# Altium PCB Einsy_Rambo.PcbDoc (part 4 of 4)
Units mil, origin at the board's own origin, x right, y up, seen from the top; angles counter-clockwise.
Board outline 5506.78 x 2795 mil, 6 copper layers (Top, GND, Signal Layer 1, Supply, Signal Layer 2, Bottom), stack 61.838 mil thick; 339 components, 226 nets, 1200 pads, 793 vias.
Unrouted connection lines stored in the file: 98.
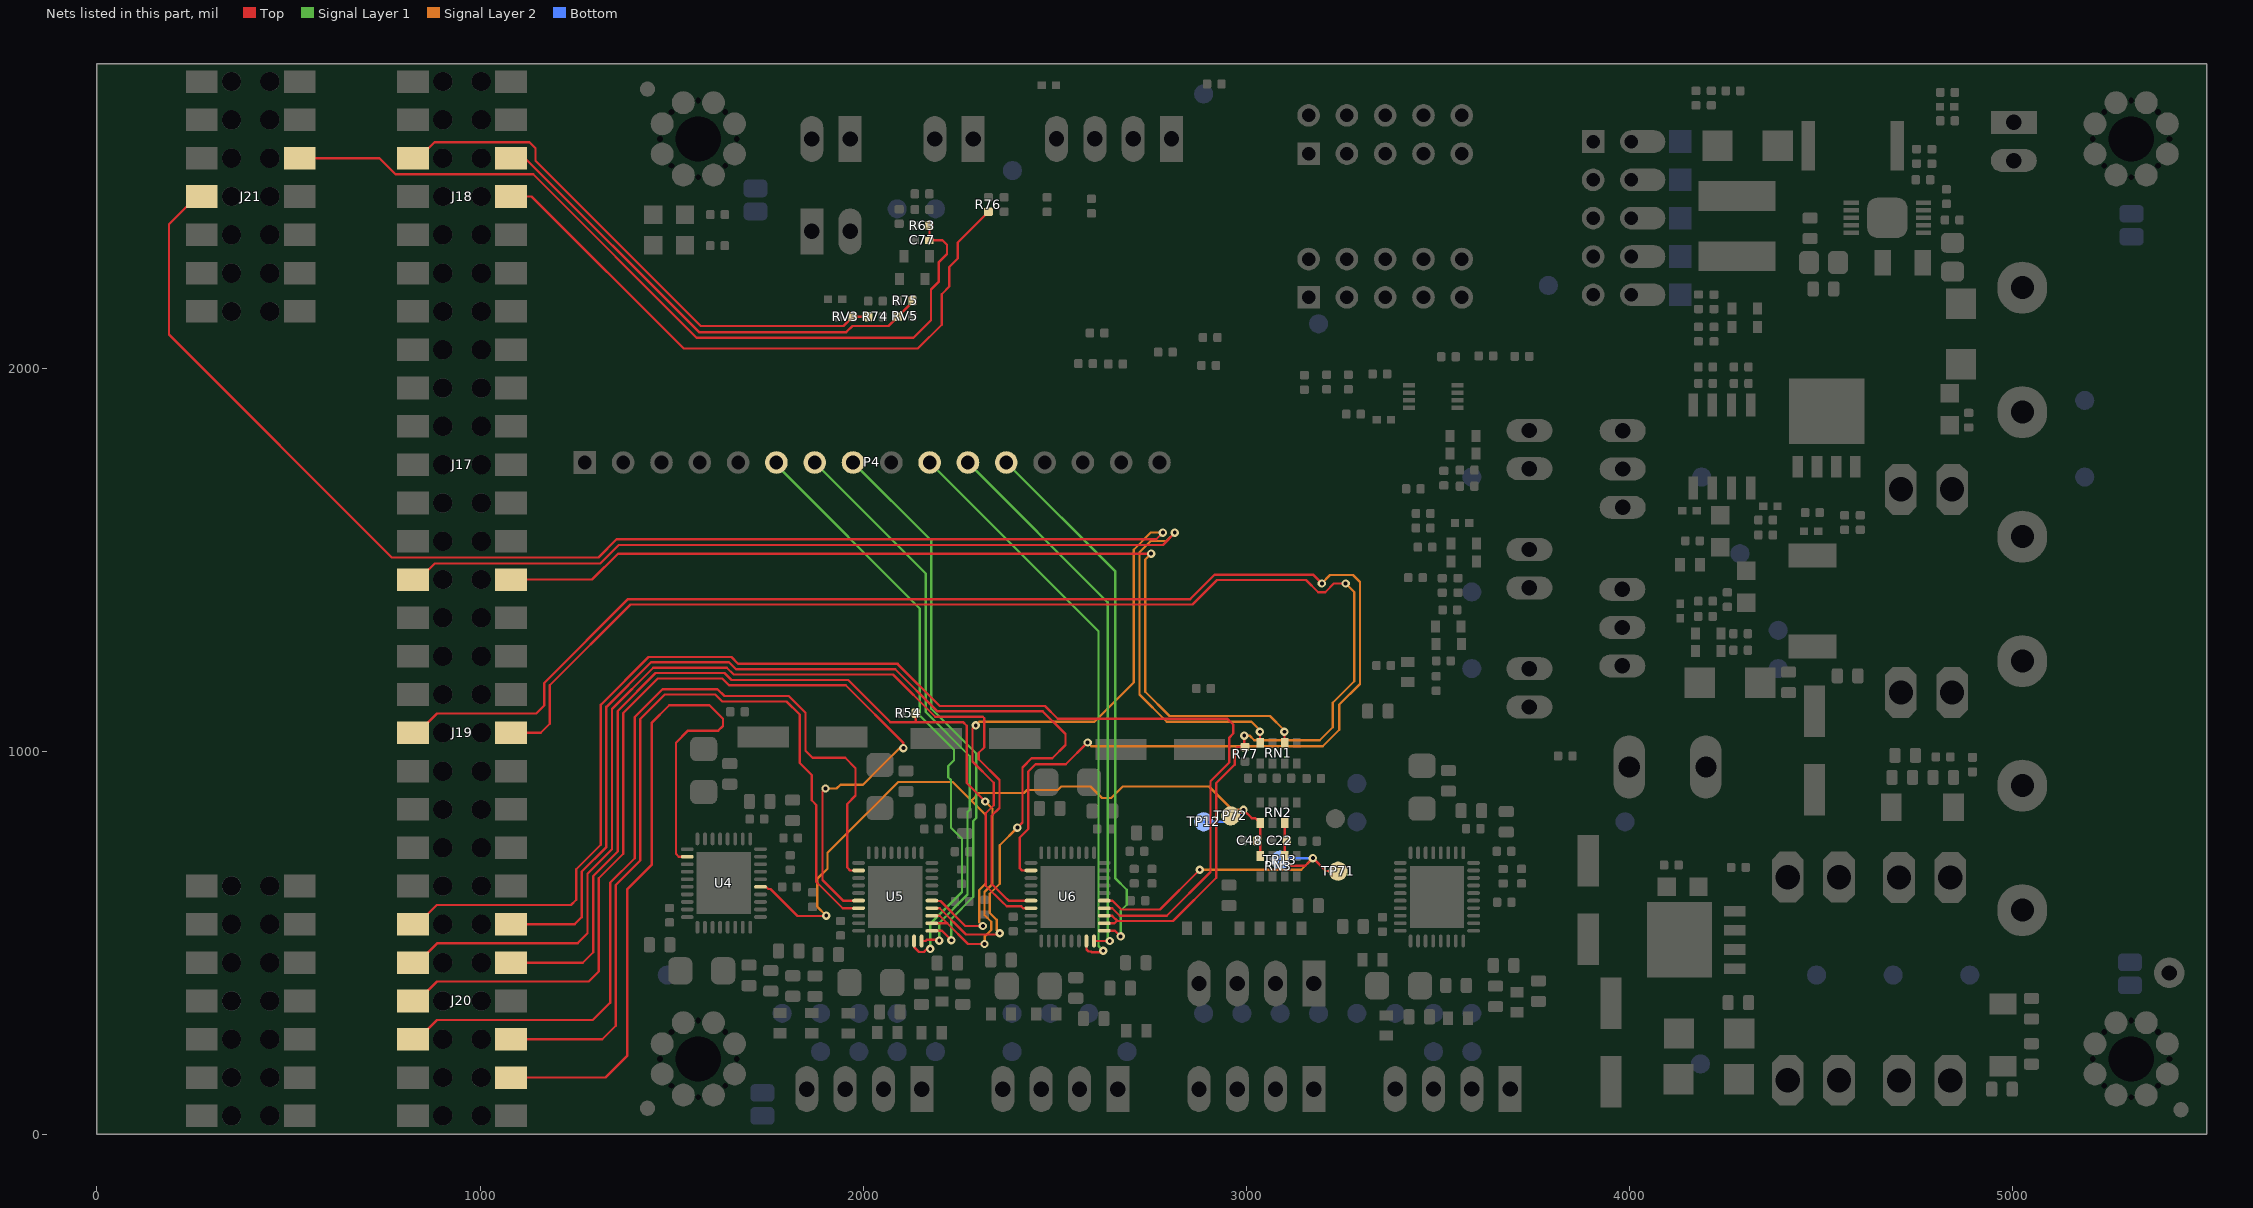
[diagram p8: the nets of this part, all layers, seen from the top]

## Via types
v1: diameter 22, hole 10, Top to Bottom, 296 vias
v2: diameter 22, hole 10, Top to Bottom, tented both sides, 255 vias
v3: diameter 30, hole 15, Top to Bottom, 204 vias
v4: diameter 30, hole 15, Top to Bottom, tented both sides, 30 vias
v5: diameter 32, hole 15, Top to Bottom, tented both sides, 4 vias
v6: diameter 29, hole 15, Top to Bottom, tented both sides, 4 vias

## Nets (pads, with @x,y where several pads share a name; then routed paths per layer and width w, separated by ;. In a path a pad name is that pad's centre, name@x,y a point inside that pad or via, vN(x,y) a via of type N, cw(c..) or ccw(c..) an arc to the next point about the centre after c; other vN are vias at no path point) (continued)
X_MIN: J18.10 R74.1 RV3.2 | length 1432.9
  Top w6: J18.10@825,2548.28 839.37,2548.28 880.91,2589.82 1128.94,2589.82 1144.68,2574.07 1144.68,2541.59 1576.02,2110.25 1949.03,2110.25 RV3.2@1973.03,2134.25 R74.1@2013.13,2134.25
X_nCS: J20.3 U4.2 | length 1924.7
  Top w6: J20.3@1080.71,148.28 1327.17,148.28 1383.86,204.98 1383.86,639.03 1447.83,703.01 1447.83,1074.06 1494.03,1120.25 1599.03,1120.25 1634.03,1085.25 1634.03,1066.25 1621.78,1054 1542.78,1054 1511.28,1022.5 1511.28,732.5 1518.83,724.95 U4.2@1540.93,724.95
XY-REF: C48.1 RN2.5 RN3.4 TP12.TP TP72.TP U4.23 U5.23 | length 2443.4
  Top w6: U4.23@1746.52,646.21 1752.23,640.5 1758.28,640.5 1828.78,570 v2@1903.78,570 ; U5.23@2179.25,610.21 2180.46,609 2201.78,609 2266.78,544 v2(2312.78,544) ; TP72.TP@2959.5,831.4 2967.1,839 2984.82,839 v1(2992.97,847.15) 3014.82,825.3 3024.46,825.3 RN2.5@3036.5,813.26 3036.5,771.59 3031.35,766.44 3036.5,761.29 RN3.4@3036.5,727.07
  Signal Layer 2 w6: v2@1903.78,570 v2(1903.78,571) 1879.92,594.86 1879.92,666.34 1906.78,693.2 1906.78,735 2091.78,920 2233.78,920 2282.78,871 ; v2(2312.78,544) 2303.15,553.63 2303.15,637.88 2320.78,655.51 2320.78,833 2282.78,871 ; v1(2992.97,847.15) 2963.88,847.15 2903.03,908 2677.78,908 2647.78,878 2623.78,878 2593.78,908 2517.25,908 2508.25,899 2427.78,899 2419.78,891 2302.78,891 2282.78,871
  Bottom w6: TP12.TP@2888.78,816 2961.82,816 v1(2992.97,847.15)
XY-REF-PWM: J17.2 RN1.4 | length 2920.5
  Top w6: J17.2@820.87,1429.39 881.89,1490.41 1313.98,1490.41 1362.2,1538.64 2782.42,1538.64 2813.61,1569.83 v2(2813.61,1571) ; v2(3035.78,1051) 3035.78,1023.07 RN1.4@3036.5,1022.35
  Signal Layer 2 w6: v2(2813.61,1571) 2813.61,1570.83 2791.78,1549 2750.78,1549 2721.19,1519.41 2721.19,1148.59 2792.78,1077 3013.78,1077 v2@3036.78,1054
Y-DCEN: P4.7 U5.18 | length 1497
  Top w6: U5.18@2152.68,504.9 2163.36,504.9 2166.34,507.87 2188.98,507.87 2190.94,505.91 v2(2198.82,505.91)
  Signal Layer 1 w6: P4.7@1873.62,1753.94 2163.39,1464.17 2163.39,1102.36 2278.54,987.2 2278.54,847.44 2272.64,841.54 2272.64,625.98 2198.82,552.17 v2(2198.82,505.91)
Y-DCIN: P4.8 U5.19 | length 1468.2
  Top w6: U5.19@2179.45,531.47 2205.73,531.47 v2(2230.31,506.89)
  Signal Layer 1 w6: P4.8@1973.62,1753.94 2178.15,1549.41 2178.15,1111.22 2295.28,994.09 2295.28,825.79 2287.4,817.91 2287.4,620.08 2230.31,562.99 v2(2230.31,506.89)
Y-DCO: P4.6 U5.17 | length 1581.9
  Top w6: U5.17@2132.99,504.9 2132.99,489.05 2145.67,476.38 2158.59,476.38 2165.48,483.27 v2@2172.57,483.27
  Signal Layer 1 w6: P4.6@1773.62,1753.94 1773.62,1747.05 2147.64,1373.03 2147.64,1093.5 2237.2,1003.94 2237.2,976.38 2222.44,961.61 2222.44,932.09 2229.33,925.2 2229.33,800.2 2257.87,771.65 2257.87,632.87 2173.23,548.23 2175.2,546.26 v2(2175.2,484.25)
Y-DIR: J20.5 U5.7 | length 2173.2
  Top w6: J20.5@1080.71,248.28 1318.9,248.28 1354.33,283.72 1354.33,650.84 1418.31,714.82 1418.31,1084.53 1482.03,1148.25 1614.03,1148.25 1632.03,1130.25 1800.03,1130.25 1834.28,1096 1834.28,969.5 1865.78,938 1865.78,872 1877.9,859.88 1877.9,659.5 1946.87,590.53 U5.7@1988.11,590.53 U5.7@1988.31,590.53
Y-EN: J20.11 U5.22 | length 2943.6
  Top w6: J20.11@1080.71,548.28 1246.85,548.28 1265.75,567.18 1265.75,686.28 1329.72,750.25 1329.72,1115.95 1446.03,1232.25 1650.03,1232.25 1668.03,1214.25 2084.03,1214.25 2194.03,1104.25 2469.03,1104.25 2528.03,1045.25 2528.03,1016.25 2493.78,982 2439.78,982 2415.78,958 2415.78,814 v2(2402.78,801) ; U5.22@2179.25,590.53 2200.25,590.53 2268.78,522 2353.78,522 v2(2356.78,525)
  Signal Layer 2 w6: v2(2356.78,525) 2348.42,533.36 2348.42,560.04 2330.71,577.76 2330.71,627.95 2356.78,654.02 2356.78,755 v2(2402.78,801)
Y-STEP: J20.8 U5.6 | length 2681.9
  Top w6: J20.8@824.8,348.28 837.2,348.28 887.79,398.87 1283.46,398.87 1310.04,425.45 1310.04,668.56 1374.02,732.54 1374.02,1100.24 1464.03,1190.25 1632.03,1190.25 1650.03,1172.25 1954.53,1172.25 2105.03,1021.75 v2(2105.03,1008.25) ; v2(1901.78,903) 1893.9,895.12 1893.9,663.88 1947.57,610.21 U5.6@1988.31,610.21
  Signal Layer 2 w6: v2@1895.78,907 v2@1901.78,907 ; v2(1901.78,903) 1930.78,903 1940.78,913 1999.78,913 2095.03,1008.25 v2(2105.03,1008.25)
Y_DIAG: J20.9 R54.1 U5.20 U5.21 | length 2756.3
  Top w6: J20.9@1080.71,448.28 1267.91,448.28 1295.28,475.65 1295.28,674.47 1359.25,738.44 1359.25,1105.47 1458.03,1204.25 1638.03,1204.25 1656.03,1186.25 1961.03,1186.25 2071.03,1076.25 2136.81,1076.25 ; R54.1@2137.01,1099.41 2137.01,1076.45 2136.81,1076.25 ; U5.20@2179.25,551.16 2219.62,551.16 ; U5.21@2179.25,570.84 2199.94,570.84 2219.62,551.16 ; v2@2313.78,502 2317.78,498 2317.78,497 2273.78,497 2219.62,551.16 ; v2(2318.78,869) 2270.28,917.5 2270.28,1067 2261.03,1076.25 2136.81,1076.25
  Signal Layer 2 w6: v2(2318.78,869) 2337.78,850 2337.78,653.73 2316.93,632.87 2316.93,572.84 2334.65,555.12 2334.65,533.87 2317.78,517 2317.78,497 v2@2322.78,497
  other v2: 2316.78,497
Y_MIN: J18.9 R75.1 RV5.2 | length 1271.9
  Top w6: J18.9@1080.91,2548.28 1117.32,2548.28 1571.35,2094.25 1956.03,2094.25 1972.03,2110.25 2066.03,2110.25 RV5.2@2091.03,2135.25 R75.1@2128.93,2173.15
  Top w8: R75.1@2128.93,2173.15 R75.1@2128.93,2176.25
Y_nCS: J20.6 U5.2 | length 2378.9
  Top w6: J20.6@824.8,248.28 837.6,248.28 887.79,298.48 1294.29,298.48 1339.57,343.76 1339.57,656.75 1403.54,720.73 1403.54,1089.76 1476.03,1162.25 1620.03,1162.25 1638.03,1144.25 1806.03,1144.25 1849.78,1100.5 1849.78,1001.25 1867.78,983.25 1953.03,983.25 1980.28,956 1980.28,884.5 1958.28,862.5 1958.28,696.5 1965.83,688.95 U5.2@1988.31,688.95
Z-DCEN: P4.11 U6.18 | length 1443.3
  Top w6: U6.18@2602.68,504.9 v2(2643.68,504.9)
  Signal Layer 1 w6: P4.11@2273.62,1753.94 2638.78,1388.78 2638.78,509.79 v2(2643.68,504.9)
Z-DCIN: P4.12 U6.19 | length 1422.8
  Top w6: U6.19@2629.45,531.47 2657.5,531.47 v2(2672.24,516.73)
  Signal Layer 1 w6: P4.12@2373.62,1753.94 2658.46,1469.1 2658.46,668.31 2687.99,638.78 2687.99,599.41 2672.24,583.66 v2(2672.24,516.73)
Z-DCO: P4.10 U6.17 | length 1532.9
  Top w6: U6.17@2582.99,504.9 2582.99,482.95 2588.58,477.36 2594.49,477.36 2596.25,475.6 2619.3,475.6 2623.03,479.33 v2(2626.97,479.33)
  Signal Layer 1 w6: P4.10@2173.62,1753.94 2614.17,1313.39 2614.17,492.13 v2(2626.97,479.33)
Z-DIR: J21.8 U6.7 | length 4762.3
  Top w6: J21.8@273.42,2448.28 260.29,2448.28 187.99,2375.99 187.99,2087.85 769.68,1506.16 1309.05,1506.16 1356.3,1553.4 2765.01,1553.4 v2(2782.61,1571) ; v2(2293.78,1067.72) 2285.28,1059.22 2285.28,973.5 2340.78,918 2340.78,859 2320.28,838.5 2320.28,649.34 2362.97,606.65 2363.44,606.65 2374.62,595.47 2412.38,595.47 2417.32,590.53 U6.7@2438.11,590.53 U6.7@2438.31,590.53
  Signal Layer 2 w6: v2(2293.78,1067.72) 2303.06,1077 2603.78,1077 2706.19,1179.41 2706.19,1526.41 2750.78,1571 v2(2782.61,1571)
Z-EN: J20.12 U6.22 | length 3506.3
  Top w6: J20.12@824.8,548.28 836.42,548.28 886.81,598.68 1237.2,598.68 1250.98,612.46 1250.98,692.18 1314.96,756.16 1314.96,1121.18 1440.03,1246.25 1656.03,1246.25 1674.03,1228.25 2090.03,1228.25 2200.03,1118.25 2475.03,1118.25 2508.03,1085.25 2951.03,1085.25 2966.03,1070.25 2966.03,1046.25 2956.03,1036.25 2956.03,971.25 2906.78,922 2906.78,685.25 2792.53,571 2669.78,571 2650.25,590.53 U6.22@2629.25,590.53
Z-REF: C22.1 RN2.7 RN3.2 TP13.TP TP71.TP U6.23 | length 967.6
  Top w6: U6.23@2630.46,609 2629.25,610.21 2650.57,610.21 2673.78,587 2774.78,587 v2(2878.78,691) ; RN2.7@3100.25,813.26 3100.25,772.35 C22.1@3106.16,766.44 3100.25,760.54 RN3.2@3100.25,727.07 3100.25,718.6 3117.37,701.48 3154.39,701.48 v1(3174.07,721.17) 3207.54,687.7 3239.08,687.7 TP71.TP@3239.78,687
  Signal Layer 2 w6: v2(2878.78,691) 3143.91,691 v1(3174.07,721.17)
  Bottom w7: TP13.TP@3088.78,716 3093.95,721.17 v1(3174.07,721.17)
Z-REF-PWM: J17.1 RN1.2 | length 2499.5
  Top w6: J17.1@1080.91,1448.28 1292.52,1448.28 1360.24,1516 v2(2751.61,1516) ; v2(3099.78,1051) 3099.78,1022.82 RN1.2@3100.25,1022.35
  Signal Layer 2 w6: v2(2751.61,1516) 2736.19,1500.58 2736.19,1155.59 2799.78,1092 3062.25,1092 3097.78,1056.47 v2@3097.78,1054
Z-STEP: J20.10 U6.6 | length 2760.6
  Top w6: J20.10@824.8,448.28 837.79,448.28 888.78,499.27 1254.92,499.27 1280.51,524.86 1280.51,680.37 1344.49,744.35 1344.49,1110.71 1452.03,1218.25 1644.03,1218.25 1662.03,1200.25 2078.03,1200.25 2188.03,1090.25 2312.31,1090.25 2316.03,1086.53 2316.03,1010.25 2301.78,996 2301.78,979 2355.78,925 2355.78,852 2335.28,831.5 2335.28,654.5 2369.13,620.65 2369.24,620.65 2379.67,610.21 U6.6@2438.31,610.21
Z_DIAG: J19.7 R77.1 U6.20 U6.21 | length 3878.2
  Top w6: J19.7@1080.91,1048.28 1158.27,1048.28 1182.09,1072.1 1182.09,1172.5 1392.84,1383.25 2860.03,1383.25 2924.03,1447.25 3156.03,1447.25 3188.03,1415.25 3206.03,1415.25 3228.78,1438 v2(3259.57,1438) ; U6.20@2629.25,551.16 2655.94,551.16 2661.78,557 2663.78,557 ; U6.21@2629.25,570.84 2649.94,570.84 2663.78,557 ; v2(2994.78,1041) R77.1@2994.78,1011.15 ; R77.1@2997.03,1011.15 R77.1@2994.78,1011.15 ; 2663.78,557 2808.78,557 2921.78,670 2921.78,917 2970.03,965.25 2970.03,1003.25 2977.93,1011.15 R77.1@2994.78,1011.15
  Signal Layer 2 w6: v2(2994.78,1041) 3008.78,1041 3020.78,1029 3191.78,1029 3225.78,1063 3225.78,1127 3281.78,1183 3281.78,1415.79 v2(3259.57,1438)
Z_MIN: J18.7 R76.1 | length 1659.7
  Top w6: J18.7@1080.91,2448.28 1134.65,2448.28 1531.68,2051.25 2142.63,2051.25 2205.03,2113.66 2205.03,2193.25 2225.03,2213.25 2225.03,2264.25 2247.03,2286.25 2247.03,2328.35 R76.1@2327.03,2408.35
Z_nCS: J19.8 U6.2 | length 4271.7
  Top w6: J19.8@825,1048.28 837.4,1048.28 887.79,1098.68 1146.65,1098.68 1167.32,1119.35 1167.32,1178.4 1386.17,1397.25 2854.03,1397.25 2918.03,1461.25 3174.31,1461.25 v2(3197.57,1438) v2@3197.57,1438.79 ; U6.2@2438.31,688.95 2414.83,688.95 2408.66,695.12 2408.66,774.88 2430.78,797 2430.78,947 2449.78,966 2528.78,966 v2(2585.78,1023)
  Signal Layer 2 w6: v2(2585.78,1023) 2595.78,1013 3199.78,1013 3242.78,1056 3242.78,1122 3296.78,1176 3296.78,1441.66 3278.44,1460 3218.78,1460 3197.57,1438.79 v2(3197.57,1438)
Z_THERM: C77.1 J21.9 R63.2 | length 2164.8
  Top w6: J21.9@529.33,2548.28 737.4,2548.28 779.53,2506.16 1138.78,2506.16 1565.68,2079.25 2131.03,2079.25 2177.03,2125.25 2177.03,2205.25 2197.03,2225.25 2197.03,2276.25 2219.03,2298.25 2219.03,2322.25 2207.03,2334.25 C77.1@2172.73,2334.25 2173.03,2334.55 R63.2@2173.03,2372.25
pads on no net: FID1.1 FID2.1 FID3.1 H1.0 H2.0 H3.0 H4.0 J17. J18. J19. J20. J21. J22. P3. Q1. Q5. U4. U5. U6. U7.

## Polygon pours and split planes (outlines as drawn)
GND on Top "Top GND large pour" (solid, remove dead copper, pour order 214): 1382.87,10.09 5496.87,10.09 5496.87,2785.51 1382.87,2785.51
no net on Top "FAN0 Q8 DRN" (solid, pour order 104): 4154.78,1717 4154.78,1657 4229.78,1657 4228.78,1657 4228.78,1717
NetC66_1 on Top "Direct-Connect" (solid, pour order 174): 1995.78,769 2002.78,776 2021.78,776 2033.78,776 2035.78,778 2035.78,805 2022.78,818 1998.78,818 1973.78,793 1973.78,776 1980.78,769
GND on Top "Top-MotorThermal" (solid, pour order 168): 1447.83,895.06 1513.78,961 3778.78,961 3892.72,847.06 3892.72,449.07 3787.65,344 1590.78,344 1447.83,486.94
NetC119_2 on Top "Direct-Connect" (solid, pour order 161): 3479.78,477 3501.78,477 3515.78,463 3515.78,434 3526.19,423.59 3537.64,423.59 3535.78,414 3535.78,396 3535.78,370 3492.78,361 3479.37,349 3422.46,349 3420.61,350.85 3416.78,354.68 3416.78,417 3432.78,433 3434.78,433 3454.78,433 3458.78,437 3458.78,459 3476.78,477
X_0B2 on Top "Direct-Connect" (solid, pour order 145): 1660.78,480.32 1660.78,475 1673.18,462.6 1722.18,462.6 1733.78,451 1733.78,412.38 1737.78,408.38 1779.07,408.38 1779.07,415.25 1779.07,437.71 1776.78,447 1769.78,447 1736.46,480.32
NetC102_2 on Top "Direct Connect" (solid, pour order 129): 1622.78,522 1628.78,522 1641.78,509 1654.78,496 1654.78,469 1667.78,456 1714.78,456 1719.78,451 1719.78,430 1710.78,421 1685.78,421 1672.78,408 1672.78,391 1664.78,383 1610.78,383 1599.78,394 1599.78,499
BED-OUT on Top "50mil" (solid, pour order 192): 4809.78,1921 4908.78,1921 4966.78,1979 4966.78,2005 5000.78,2039 5004.78,2043 5028.78,2043 5051.78,2043 5062.78,2054 5062.78,2330 5033.78,2359 4965.78,2359 4875.78,2269 4875.78,2158 4809.78,2092
PWR-IN on Top "24mil" (solid, pour order 184): 4796.78,799 4796.78,877 4819.78,900 4819.78,945 4877.78,945 5178.78,644 5178.78,489 5178.78,383 5134.78,339 5037.78,339 5037.78,305 5009.78,277 4953.78,277 4927.78,303 4927.78,701 4845.78,783 4814.78,783 4811.78,783 4796.78,798
NetC87_1 on Top "24mil" (solid, pour order 180): 4331.78,625 4396.78,560 4564.78,560 4609.78,605 4617.78,613 4617.78,754 4694.78,831 4694.78,973 4677.78,973 4496.78,792 4357.78,792 4331.78,766
BED-IN on Top "50mil" (solid, pour order 178): 4620.87,1111.09 4620.87,1279.09 4680.87,1339.09 5138.87,1339.09 5208.87,1269.09 5208.87,1074.09 5155.78,1021 4666.97,1021 4620.87,1067.09
+12V3 on Top "50mil" (solid, pour order 175): 4784.78,1766 4823.78,1805 4823.78,1852 4881.78,1910 4928.78,1910 4985.78,1967 4995.78,2003 5005.78,2013 5052.78,2013 5148.78,2013 5234.78,1927 5234.78,1727 5165.78,1658 5151.78,1644 4947.78,1644 4904.78,1601 4904.78,1506 4904.78,1466 4681.78,1243 4389.78,1243 4375.78,1257 4375.78,1348 4400.78,1373 4602.78,1373 4622.78,1393 4622.78,1728 4660.78,1766
BED-OUT on Top "Direct-Connect" (solid, pour order 172): 4422.4,1787.38 4782.16,1787.38 4809.78,1815 4809.78,1921 4891.78,1921 4891.78,2123 4387.78,2123 4354.78,2090 4354.78,2006 4354.78,1956 4354.78,1801 4408.78,1801
GND on Top "Direct-Connect" (solid, pour order 170): 4372.78,1759 4372.78,1788 4404.78,1788 4420.78,1772 4553.78,1772 4559.78,1766 4559.78,1716 4574.78,1701 4574.78,1676 4555.78,1657 4432.78,1657 4409.78,1680 4373.78,1680 4373.78,1707
NetC115_1 on Top "Direct-Connect" (solid, pour order 167): 2376.78,435 2486.78,435 2490.78,439 2490.78,464.92 2487.93,467.77 2380.55,467.77 2376.78,464
NetC114_1 on Top "Direct-Connect" (solid, pour order 166): 2557.78,467 2557.78,439 2562.78,434 2610.78,434 2610.78,458 2601.78,467
NetC78_1 on Top "Direct-Connect" (solid, pour order 164): 3515.78,771 3532.78,771 3538.78,777 3540.78,779 3540.78,822 3540.78,859.85 3524.01,876.62 3509.4,876.62 3496.78,864 3496.78,834 3515.78,815
GND on Top "Direct-Connect" (solid, pour order 160): 2204.78,787 2218.78,801 2218.78,816 2218.78,900 2214.78,904 2203.78,904 2191.78,892 2191.78,871 2184.78,864 2184.78,794 2191.78,787
NetC82_2 on Top "Direct-Connect" (solid, pour order 156): 3486.78,762 3496.78,762 3509.78,775 3511.78,777 3511.78,808 3506.78,813 3490.78,813 3460.78,813 3453.78,806 3453.78,775 3463.78,765 3466.78,762 3473.78,762
GND on Top "Direct-Connect" (solid, pour order 155): 3586.15,892.37 3586.15,796.63 3602.78,780 3618.78,780 3629.78,791 3632.26,793.48 3632.26,875.46 3632.26,879.52 3605.78,906 3599.78,906
NetC116_2 on Top "Direct-Connect" (solid, pour order 154): 2515.78,477 2537.78,477 2551.78,463 2551.78,434 2562.19,423.59 2573.64,423.59 2581.72,415.52 2581.72,395.86 2581.72,390.02 2573.64,381.95 2539.24,381.95 2530.16,372.88 2530.16,364.38 2509.78,344 2463.46,344 2456.61,350.85 2452.78,354.68 2452.78,417 2468.78,433 2470.78,433 2490.78,433 2494.78,437 2494.78,459 2512.78,477
NetC113_2 on Top "Direct-Connect" (solid, pour order 151): 2457.78,833 2462.78,833 2496.78,799 2506.78,809 2513.78,809 2479.78,843 2468.78,854
NetC106_1 on Top "Direct-Connect" (solid, pour order 148): 2105.78,466 2105.78,438 2112.78,431 2148.78,431 2150.78,433 2126.78,457 2126.78,464 2124.78,466
NetC108_2 on Top "Direct Connect" (solid, pour order 147): 2070.16,486 2076.16,486 2089.16,473 2099.78,462.38 2099.78,435.38 2115.16,420 2162.16,420 2167.16,415 2167.16,394 2158.16,385 2133.16,385 2120.16,372 2120.16,355 2112.16,347 2058.16,347 2047.16,358 2047.16,463
NetC85_1 on Top "24mil" (solid, pour order 146): 5052.78,151 5052.78,250 4956.78,250 4898.78,308 4898.78,611 4909.78,622 4909.78,670 4814.78,765 4700.78,765 4688.78,753 4688.78,328 4756.78,260 4833.78,260 4942.78,151
GND on Top "Direct-Connect" (solid, pour order 141): 2050.78,915 2127.27,915 2166.05,953.77 2166.05,985.73 2159.78,992 2118.78,992 2107.78,981 2091.78,981 2074.78,998 2016.78,998 2002.78,984 2002.78,926 2013.78,915
NetC65_1 on Top "Direct-Connect" (solid, pour order 140): 2101.78,771 2118.78,771 2124.78,777 2126.78,779 2126.78,822 2126.78,859.85 2110.01,876.62 2095.4,876.62 2082.78,864 2082.78,834 2101.78,815
NetC71_2 on Top "Direct-Connect" (solid, pour order 139): 2072.78,762 2082.78,762 2095.78,775 2097.78,777 2097.78,808 2092.78,813 2076.78,813 2046.78,813 2039.78,806 2039.78,775 2049.78,765 2052.78,762 2059.78,762
NetC112_1 on Top "Direct-Connect" (solid, pour order 138): 2445.78,769 2452.78,776 2471.78,776 2483.78,776 2485.78,778 2485.78,805 2472.78,818 2448.78,818 2423.78,793 2423.78,776 2430.78,769
GND on Top "Direct-Connect" (solid, pour order 136): 2656.78,783 2671.78,798 2671.78,814 2671.78,815 2703.78,847 2703.78,864 2685.78,882 2668.78,882 2653.78,867 2639.78,867 2632.78,860 2632.78,784 2636.78,780 2653.78,780
NetC75_1 on Top "Direct-Connect" (solid, pour order 135): 2551.78,771 2568.78,771 2574.78,777 2576.78,779 2576.78,822 2576.78,859.85 2560.01,876.62 2545.4,876.62 2532.78,864 2532.78,834 2551.78,815
NetC113_2 on Top "Direct-Connect" (solid, pour order 132): 2522.78,762 2532.78,762 2545.78,775 2547.78,777 2547.78,808 2542.78,813 2526.78,813 2496.78,813 2489.78,806 2489.78,775 2499.78,765 2502.78,762 2509.78,762
NetC99_2 on Top "Direct Connect" (solid, pour order 128): 1630.78,850 1618.78,862 1618.78,877 1618.78,889 1625.78,896 1648.78,896 1669.78,896 1673.78,900 1673.78,933 1669.78,937 1668.78,936 1573.78,936 1556.78,936 1537.78,917 1537.78,873 1548.78,862 1585.78,862 1588.78,859 1588.78,844.8 1599.57,834 1620.78,834 1630.78,844
GND on Top "Direct Connect" (solid, pour order 127): 1644.57,945.79 1670.78,972 1670.78,984 1670.78,997 1654.78,1013 1630.78,1037 1597.78,1037 1555.78,1037 1525.78,1007 1525.78,945.79
X_0A2 on Top "Direct Connect" (solid, pour order 125): 1661.78,806 1670.78,815 1670.78,829 1670.78,856 1675.78,861 1675.78,879 1667.78,887 1632.78,887 1628.78,883 1628.78,863 1631.78,860 1643.78,860 1651.78,852 1651.78,806
X_0A1 on Top "Direct Connect" (solid, pour order 124): 1538.78,808 1599.78,808 1583.78,824 1583.78,850 1582.78,851 1536.78,851 1534.78,849 1534.78,812
NetC99_2 on Top "Direct Connect" (solid, pour order 119): 1622.78,792 1644.78,814 1645.78,815 1645.78,826 1645.78,846 1640.78,851 1591.78,851 1588.78,848 1588.78,826 1598.78,816
GND on Top "SMPS" (solid, pour order 110): 4550.78,2444 4578.78,2472 4666.78,2472 4716.78,2522 4716.78,2645 4591.78,2645 4542.78,2596 4540.78,2594 4540.78,2461 4540.78,2444
NetC40_2 on Top "SMPS" (solid, pour order 109): 4446.78,2378 4424.01,2400.77 4379.78,2400.77 4273.55,2507 4257.78,2507 4241.78,2523 4241.78,2599 4203.78,2637 4117.78,2637 4099.78,2619 4099.78,2537 4099.78,2424 4145.78,2378 4156.78,2367 4428.78,2367 4443.78,2367 4446.78,2370
no net on Top "FAN1 Q8 DRN" (solid, pour order 105): 4254.78,1717 4254.78,1657 4328.78,1657 4328.78,1717 4290.78,1717
VMOT on Top "VMOT-X" (solid, pour order 102): 1682.78,899 1682.78,1019 1799.78,1019 1737.78,957 1737.78,899
VMOT on Top "VMOT-Y" (solid, pour order 101): 2142.78,882 2142.78,956 2166.78,980 2166.78,1025 2257.78,1025 2257.78,973 2188.78,904 2188.78,882
NetD9_A on Top "SMPS" (solid, pour order 108): 4533.78,2411 4533.78,2547 4533.78,2596 4484.78,2645 4371.78,2645 4347.78,2621 4347.78,2532 4359.78,2520 4376.78,2520 4457.78,2439 4484.78,2412 4530.78,2412
NetC80_1 on Top "Direct-Connect" (solid, pour order 165): 3448.78,801 3448.78,804 3441.78,811 3406.78,811 3393.78,798 3392.78,797 3392.78,780 3395.78,777 3401.78,777 3448.78,777
NetC117_1 on Top "Direct-Connect" (solid, pour order 162): 3523.78,464 3523.78,439 3526.78,436 3542.78,436 3552.78,426 3557.78,421 3570.78,421 3575.78,426 3575.78,431 3575.78,456 3567.78,464
NetC107_1 on Top "Direct-Connect" (solid, pour order 149): 2040.32,472 2040.32,436.86 2036.65,433.19 1996.59,433.19 1987.78,442 1987.78,460 1990.78,463 2016.78,463 2019.78,466 2023.23,469.45 2023.23,471.88
X_0B1 on Top "Direct-Connect" (solid, pour order 144): 1557.78,481 1566.78,472 1590.78,472 1594.78,476 1594.78,477 1594.78,504 1590.78,508 1567.78,508 1557.78,498
GND on Top "Direct-Connect" (solid, pour order 169): 2455.78,1005 2496.78,1005 2513.78,1022 2513.78,1036 2499.78,1050 2489.78,1060 2454.78,1060
GND on Top "Direct-Connect" (solid, pour order 163): 3351.78,355 3302.78,355 3285.78,372 3285.78,406 3293.78,414 3350.78,414 3351.78,413
GND on Top "Direct-Connect" (solid, pour order 152): 2315.78,346 2419.78,346 2431.78,358 2431.78,415 2420.78,426 2415.78,431 2359.78,431 2332.78,431 2293.78,392 2288.78,387 2288.78,354 2292.78,354 2300.78,346
GND on Top "Direct-Connect" (solid, pour order 150): 1916.78,429 1916.78,385.25 1916.78,360.25 1916.78,351 1971.78,351 1993.78,351 2010.78,368 2010.78,414 1995.78,429
GND on Top "Direct-Connect" (solid, pour order 143): 1986.78,1011 2025.78,1011 2037.78,1023 2037.78,1066 2030.78,1073 1986.78,1073 1973.78,1060
VMOT on Top "Direct-Connect" (solid, pour order 131): 2626.78,994 2626.78,952 2655.78,923 2660.6,918.18 2660.6,893.82 2693.6,893.82 2715.42,872 2739.78,872 2755.78,872 2761.78,878 2761.78,974 2731.78,1004
VMOT on Top "VMOT-Z" (solid, pour order 100): 2649.78,889 2649.78,990 2738.78,990 2738.78,879 2650.78,879
GND on Top "Direct-Connect" (solid, pour order 130): 2944.78,1001 2944.78,1041 2954.78,1051 2954.78,1065 2945.78,1074 2891.78,1074 2886.78,1069 2886.78,1033 2910.78,1009
VCC on Supply "Power" (solid, remove dead copper, pour order 118): 1453.78,1898.25 1453.78,2425 1637.78,2425 1639.78,2423 1746.78,2530 1746.78,2658 1846.78,2758 3178.78,2758 5469.36,2758 5469.36,2271.58 5469.36,1989 5469.36,1788 5469.36,1093 5469.36,988 5469.36,891 5469.36,847 5469.36,816 5469.36,796 5469.36,783 5469.36,761.77 5469.37,740 5469.32,390.41 5469.46,58 4910.78,58 4910.78,237.41 4757.78,390.41 4026.43,390.41 3987.84,429 1591.78,429 1411.78,609 1411.78,1114 1453.78,1156
VMOT on Supply "Power" (solid, remove dead copper, pour order 117): 1806.03,908.25 1814.03,904.25 1818.03,894.98 1818.03,834.75 1862.03,788.25 1862.03,690.25 1846.78,672 1846.78,496 1866.78,476 1892.78,476 1930.78,514 1930.78,743 2061.78,874 2116.78,874 2139.79,897.01 2217.77,897.01 2222.78,892 2230.28,892 2309.46,812.82 2310.03,662.25 2297.78,642 2297.78,487 2312.78,472 2366.78,472 2414.53,519.75 2414.53,812.75 2468.78,867 2667.03,867 2695.34,889 2779.78,889 2779.78,677 2817.78,639 3191.78,639 3414.78,862 3532.78,862 3567.78,897 3567.78,905 3579.78,917 3602.78,917 3630.78,889 3681.78,889 3735.78,835 3735.78,680 3892.78,523 4027.78,388 4759.78,388 4910.78,237 4910.78,77 4891.78,58 4099.78,58 1774.78,58 1716.78,116 1716.78,261 1639.78,338 1480.78,338 1430.78,388 1430.78,543 1459.78,572 1459.78,810 1543.78,894 1676.78,894 1682.78,900 1682.78,922 1707.78,947 1723.78,947 1733.78,937 1733.78,908.25
NetD6_A on Supply "Extruder NetD6_A" (solid, pour order 103): 4030.74,395.14 4030.74,599.25 4201.03,599.25 4201.03,395.05
GND on Bottom "BOT GND large pour" (solid, remove dead copper, pour order 218): 1382.96,10.18 5496.96,10.18 5496.96,2785.6 1382.96,2785.6
BED-OUT on Bottom "BedOut Bottom Heatsink" (solid, pour order 212): 4660.78,1585.25 4660.78,1756 4953.93,1756 4953.93,2243 4288.03,2243 4288.03,2005.25 4058.78,2005.25 4058.78,1585.25
+12V2 on Bottom "Direct Connect" (solid, pour order 190): 4140.03,1070.25 4070.03,1000.25 4070.03,875.25 4022.03,827.25 3955.03,827.25 3907.03,786.25 3907.03,641 3978.78,641 4106.78,504 4336.78,274 4336.78,141 4359.78,118 4600.78,118 4617.78,135 4617.78,316 4442.85,594.89 4387.98,594.89 4355.78,631 4355.78,765 4311.78,765 4311.78,1070.25
GND on Bottom "Direct Connect" (solid, pour order 196): 4872.78,1530 4929.78,1587 5129.78,1587 5129.78,1509 5068.78,1448 4934.78,1448 4872.78,1510
+12V3 on Bottom "Direct Connect" (solid, pour order 176): 4621.78,1723 4665.78,1767 4684.78,1786 4808.78,1786 4904.78,1786 4935.78,1817 4935.78,1935 4977.78,1977 5014.78,2014 5087.78,2014 5233.78,1868 5233.78,1771 5103.78,1641 4973.78,1641 4937.78,1605 4875.78,1543 4661.78,1543 4621.78,1583
NetC85_1 on Bottom "Direct Connect" (solid, pour order 202): 5057.78,158 5085.78,186 5085.78,217 5052.78,250 4956.78,250 4851.78,355 4851.78,728 4814.78,765 4700.78,765 4688.78,753 4688.78,470 4724.78,434 4724.78,369 4833.78,260 4935.78,158
GND on Bottom "Direct Connect" (solid, pour order 198): 4989.03,816.25 5080.03,816.25 5152.78,889 5176.78,913 5176.78,1012 4954.78,1012 4927.78,985 4920.78,978 4920.78,922 4920.78,884.5
BED-OUT on Bottom "Direct Connect" (solid, pour order 194): 4910.78,2260 4910.78,2159 4864.78,2113 4864.78,1955 4891.78,1928 5010.78,2047 5084.78,2047 5141.78,2104 5141.78,2173 5141.78,2275 5085.78,2331 4976.78,2331 4909.78,2264
NetC87_1 on Bottom "Direct Connect" (solid, pour order 183): 4371.78,602 4448.78,592 4464.78,559 4563.78,559 4617.78,613 4617.78,726 4668.78,777 4681.03,789.25 4681.03,910.25 4656.03,935.25 4600.03,935.25 4456.78,792 4371.78,792
BED-IN on Bottom "Direct Connect" (solid, pour order 177): 4619.78,1110 4619.78,1278 4679.78,1338 5137.78,1338 5207.78,1268 5207.78,1086 5147.78,1026 4949.77,1025.99 4930.78,1007 4678.78,1007 4619.78,1066
NetD6_A on Bottom "Extruder HeatSink Bot" (solid, pour order 98): 4201.03,595.25 3851.78,595.25 3851.78,11 4144.78,11 4144.78,236 4145.78,235 4201.03,235
PWR-IN on Bottom "Direct Connect" (solid, pour order 185): 4881.03,786.75 4881.03,887.25 4891.03,897.25 4905.03,897.25 5000.03,802.25 5111.53,802.25 5178.78,735 5178.78,489 5178.78,383 5134.78,339 5037.78,339 5037.78,305 5009.78,277 4953.78,277 4927.78,303 4927.78,584 4927.78,740
GND on Signal Layer 1 "BOT GND large pour" (solid, remove dead copper, pour order 222): 1382.96,10.18 5496.96,10.18 5496.96,2785.6 1382.96,2785.6
NetD6_A on Signal Layer 1 "NetD6_A" (solid, remove dead copper, pour order 99): 4053.01,531.1 4053.01,421.28 4065.03,409.25 4194.62,409.25 4214.03,428.67 4214.03,742.25 4094.03,862.25 4094.03,1066.25 4071.03,1089.25 3997.03,1089.25 3959.03,1051.25 3959.03,871.25 4002.03,828.25 4002.03,585.9 4047.6,540.33
GND on Signal Layer 2 "SIG2 GND large pour" (solid, remove dead copper, pour order 220): 1382.96,10.18 5496.96,10.18 5496.96,2785.6 1382.96,2785.6
BED-OUT on Signal Layer 2 "Direct-Connect" (solid, pour order 173): 4322.78,1962 4322.78,1824 4346.78,1800 4405.78,1800 4485.78,1720 4596.78,1720 4676.78,1800 4884.78,1800 4915.78,1831 4915.78,2077.5 4862.28,2131 4386.78,2131 4348.78,2093 4348.78,2003.79 4322.65,1977.67
NetD6_A on Signal Layer 2 "Extruder NetD6_A" (solid, pour order 188): 4090.78,597 4186.78,597 4200.78,597 4200.78,411 4030.78,411 4030.78,597
GND on GND (split plane): 5496.69,10.09 10.09,10.09 10.09,2784.91 5496.69,2784.91

## Keep-outs
Supply:
  circle w10: c4749.78,2600 r13.75

## Other copper
Top:
  rectangle net GND: 4385.03,1445 4571.03,1523.25
  rectangle net GND: 4422.78,833 4544.78,967
  rectangle net +12V2: 3861.78,649 3989.78,781
  rectangle net GND: 3831.78,443 3953.78,577
  rectangle net VMOT: 3889.78,275 4012.78,410
  rectangle net GND: 3890.78,72 4012.78,205
  rectangle net VMOT: 4237.78,69 4360.78,200
  region net GND: 4057.78,188 4057.78,72 4195.78,72 4195.78,188
  region net GND: 4058.78,338.48 4058.78,213 4190.78,213 4190.78,338.48
Supply:
  rectangle net GND: 3440.41,541.04 3555.14,699.08
  rectangle net GND: 2476.41,541.04 2591.14,699.08
  rectangle net GND: 2026.41,541.04 2141.14,699.08
  rectangle net GND: 1579.04,577.04 1693.77,735.08
Bottom:
  pour cut-out: 1411.42,1155.52 1373.3,1155.52 1373.03,1155.25 1373.03,1858.25 1410.95,1858.25 1411.42,1857.78

## Silkscreen, mask and mechanical layers (free items; w line width, h text height)
Top Overlay:
  circle w5: c1478.78,1211 r42
  lines w8: 2895.03,803.25 2929.03,819.25 ; 3266.03,826.25 3308.03,847.25 ; 3270.03,688.25 3288.03,689.25 ; 3541.03,1631.25 3577.03,1619.25 ; 3567.03,985.25 3582.03,1000.25 ; 3582.03,921.25 3582.03,1000.25 ; 3597.03,985.25 3582.03,1000.25 ; 4161.03,683.25 4173.03,724.25 ; 4767.78,2183 4833.78,2179
  lines w10: 3589.17,1224.04 3626.67,1224.04 3626.67,1303.11 ; 3589.17,1535.06 3626.67,1535.06 3626.67,1614.13 ; 3589.17,1846.09 3626.67,1846.09 3626.67,1925.15 ; 3598.72,1224.04 3598.72,1303.04 ; 3598.72,1535.06 3598.72,1614.06 ; 3598.72,1846.09 3598.72,1925.09 ; 3607.92,1224.04 3607.92,1302.83 ; 3607.92,1535.06 3607.92,1613.86 ; 3607.92,1846.09 3607.92,1924.88 ; 3617.72,1224.04 3617.72,1303.11 ; 3617.72,1535.06 3617.72,1614.13 ; 3617.72,1846.09 3617.72,1925.15 ; 4094.28,1185.5 4094.28,1264.57 4131.78,1264.57 ; 4095.28,1599.5 4095.28,1678.57 4132.78,1678.57 ; 4103.24,1185.5 4103.24,1264.57 ; 4104.24,1599.5 4104.24,1678.57 ; 4113.03,1185.77 4113.03,1264.57 ; 4114.03,1599.77 4114.03,1678.57 ; 4122.24,1185.57 4122.24,1264.57 ; 4123.24,1599.57 4123.24,1678.57
  text "X-MIN" at 1861.03,2758.25 h32
  text "Y-MIN" at 2170.03,2758.25 h32
  text "Z-PROBE" at 2547.03,2758.25 h32
  text "EINSY RAMBo" at 4327.76,2723.43 h40
  text "BREAKOUT 0.0a" at 4249.02,2659.45 h40
  text "5V" at 1688.03,2411.25 h40
  text "ACT" at 1585.03,2353.25 h25
  text "PWR" at 1584.03,2271.25 h25
  text "BED" at 4646.78,2154 h40
  text "Open Source" at 4369.78,2094 h32
  text "Hardware" at 4370.78,2039 h32
  text "FAN1" at 4013.03,1950.25 h25
  text "T0" at 3679.03,1949.25 h50
  text "BED OUT" at 5498.78,1928 h50 r90
  text "+        -" at 5498.78,1842 h50 r90
  text "T1" at 3482.03,1619 h40
  text "FAN0" at 4145.03,1432.25 h25
  text "BED IN" at 5498.78,1253 h50 r90
  text "+      -" at 5498.78,1202 h50 r90
  text "U" at 1457.78,1179 h60
  text "UltiMachine" at 1552.78,1177 h36
  text "Motors" at 2425.78,1157 h50
  text "EXTRUDER" at 3948.78,1054 h40
  text "T2" at 3490.03,1018.25 h50
  text "Therm" at 3605.03,913.25 h50
  text "EREF" at 3203.78,858 h40
  text "XREF" at 2818.03,751.25 h40
  text "HEAT-0" at 4093.03,737.25 h25
  text "ZREF" at 3333.03,619.25 h40 r90
  text "PWR IN" at 5502.78,604 h50 r90
  text "+      -" at 5498.78,557 h50 r90
  text "X MOTOR" at 1890.03,4.25 h32
  text "Y MOTOR" at 2397.78,4 h32
  text "Z MOTOR 1+2" at 2872.78,4 h32
  text "E MOTOR" at 3419.78,2 h32
Bottom Overlay:
  text "ZMIN" at 3047.03,2679.25 h32
  text "YMIN" at 2542.03,2424.25 h32
  text "Z-THERM" at 2398.03,2386.25 h25
  text "XMIN" at 2053.03,2256.25 h32 r270
  text "5V" at 3743.03,2205.25 h32
  text "RESET2" at 1735.03,2086.25 h35 r270
  text "BED-" at 5342.78,1899 h32
  text "FAN1" at 4164.03,1748.25 h32
  text "BED+" at 5341.78,1698 h32
  text "FAN0" at 4249.78,1501 h32
  text "12V2" at 4535.03,1251.25 h32
  text "XYREF" at 2870.78,851 h32 r270
  text "FGND" at 5435.78,824 h32
  text "EREF" at 3276.03,664.25 h32 r270
  text "ZREF" at 2970.03,654.25 h32 r270
  text "Z1B" at 2859.78,506 h32 r270
  text "Z2B" at 2960.78,506 h32 r270
  text "Z2A" at 3161.78,504 h32 r270
  text "Z1A" at 3071.03,502.25 h32 r270
  text "X1B" at 1479.03,465.25 h32 r270
  text "E1A" at 3464.03,360.25 h32 r270
  text "X2B" at 1776.03,359.25 h32
  text "X1A" at 1802.03,356.25 h32 r270
  text "E2B" at 3350.03,356.25 h32 r270
  text "Y1A" at 2463.03,355.25 h32 r270
  text "E1B" at 3249.03,355.25 h32 r270
  text "Y2B" at 2350.03,354.25 h32 r270
  text "X2A" at 1955.03,351.25 h32 r270
  text "Y1B" at 2084.03,351.25 h32 r270
  text "GND" at 4629.03,301.25 h32 r270
  text "E2A" at 3629.78,298 h32 r270
  text "Y2A" at 2627.03,293.25 h32 r270
  text "BED-IN" at 4878.78,207 h32 r270
  text "PWR-IN" at 4465.78,201 h32 r270
  text "GND" at 4227.78,146 h32 r270
Bottom Solder:
  region: 4434.78,741 4434.78,602 4525.78,602 4525.78,741
  region: 4724.83,740.61 4724.83,601.61 4815.83,601.61 4815.83,740.61
  region: 4434.78,211 4434.78,72 4525.78,72 4525.78,211
  region: 4724.83,210.61 4724.83,71.61 4815.83,71.61 4815.83,210.61
  region: 4729.83,1223.61 4729.83,1084.61 4820.83,1084.61 4820.83,1223.61
  region: 4729.83,1753.61 4729.83,1614.61 4820.83,1614.61 4820.83,1753.61
Dimension:
  lines w8: 1373.03,0.25 1373.03,2795.53 5506.89,2795.53 5506.89,0.25 1373.03,0.25
PCB Document:
  lines w10: 4367.65,2336.29 4603.87,2336.29 4603.87,2493.77 4367.65,2493.77 4367.65,2336.29 ; 4432.09,1776.83 4432.09,2129.83 4808.54,2129.83 4808.54,1776.83 4432.09,1776.83
  text "Bot Silk" at 4567.91,2350.65 h32
  text "UL" at 4578.89,1938.26 h30
  text "Bot Silk" at 4753.94,1827.02 h40
Drill Drawing:
  drawing of 457 lines, arcs and shapes, not listed
  text "Layer" at 5693.48,3605.22 h60
  text "Name" at 6103.4,3605.22 h60
  text "Material" at 7043.14,3605.22 h60
  text "Thickness" at 7902.91,3605.22 h60
  text "Constant" at 8552.74,3605.22 h60
  text "Board Layer Stack" at 9122.6,3605.22 h60
  text "1" at 5693.48,3485.22 h60
  text "Top Overlay" at 6103.4,3485.22 h60
  text "2" at 5693.48,3365.22 h60
  text "Top Solder" at 6103.4,3365.22 h60
  text "Solder Resist" at 7043.14,3365.22 h60
  text "0.47mil" at 7902.91,3365.22 h60
  text "3.5" at 8552.74,3365.22 h60
  text "3" at 5693.48,3245.22 h60
  text "Top" at 6103.4,3245.22 h60
  text "Copper" at 7043.14,3245.22 h60
  text "2.80mil" at 7902.91,3245.22 h60
  text "4" at 5693.48,3125.22 h60
  text "Dielectric 1" at 6103.4,3125.22 h60
  text "FR-4" at 7043.14,3125.22 h60
  text "4.32mil" at 7902.91,3125.22 h60
  text "4.2" at 8552.74,3125.22 h60
  text "5" at 5693.48,3005.22 h60
  text "GND" at 6103.4,3005.22 h60
  text "Copper" at 7043.14,3005.22 h60
  text "1.20mil" at 7902.91,3005.22 h60
  text "6" at 5693.48,2885.22 h60
  text "Dielectric 5" at 6103.4,2885.22 h60
  text "15.77mil" at 7902.91,2885.22 h60
  text "4.2" at 8552.74,2885.22 h60
  text "7" at 5693.48,2765.22 h60
  text "Signal Layer 1" at 6103.4,2765.22 h60
  text "Copper" at 7043.14,2765.22 h60
  text "1.20mil" at 7902.91,2765.22 h60
  text "8" at 5693.48,2645.22 h60
  text "Dielectric 2" at 6103.4,2645.22 h60
  text "FR-4" at 7043.14,2645.22 h60
  text "11.28mil" at 7902.91,2645.22 h60
  text "4.2" at 8552.74,2645.22 h60
  text "9" at 5693.48,2525.22 h60
  text "Supply" at 6103.4,2525.22 h60
  text "Copper" at 7043.14,2525.22 h60
  text "1.20mil" at 7902.91,2525.22 h60
  text "10" at 5693.48,2405.22 h60
  text "Dielectric 3" at 6103.4,2405.22 h60
  text "FR-4" at 7043.14,2405.22 h60
  text "15.75mil" at 7902.91,2405.22 h60
  text "4.2" at 8552.74,2405.22 h60
  text "11" at 5693.48,2285.22 h60
  text "Signal Layer 2" at 6103.4,2285.22 h60
  text "Copper" at 7043.14,2285.22 h60
  text "1.20mil" at 7902.91,2285.22 h60
  text "12" at 5693.48,2165.22 h60
  text "Dielectric 4" at 6103.4,2165.22 h60
  text "4.32mil" at 7902.91,2165.22 h60
  text "4.2" at 8552.74,2165.22 h60
  text "13" at 5693.48,2045.22 h60
  text "Bottom" at 6103.4,2045.22 h60
  text "Copper" at 7043.14,2045.22 h60
  text "2.80mil" at 7902.91,2045.22 h60
  text "14" at 5693.48,1925.22 h60
  text "Bottom Solder" at 6103.4,1925.22 h60
  text "Solder Resist" at 7043.14,1925.22 h60
  text "0.47mil" at 7902.91,1925.22 h60
  text "3.5" at 8552.74,1925.22 h60
  text "15" at 5693.48,1805.22 h60
  text "Bottom Overlay" at 6103.4,1805.22 h60
  text "Symbol" at 5728.41,1547.58 h72
  text "Count" at 6234.28,1547.58 h72
  text "Hole Size" at 6884.11,1547.58 h72
  text "Plated" at 8003.78,1547.58 h72
  text "Hole Type" at 8509.66,1547.58 h72
  text "Drill Layer Pair" at 9243.46,1547.58 h72
  text "Via/Pad" at 10433.11,1547.58 h72
  text "Pad Shape" at 11022.96,1547.58 h72
  text "Template" at 11768.76,1547.58 h72
  text "Description" at 12798.46,1547.58 h72
  text "Hole Tolerance (+)" at 13652.22,1547.58 h72
  text "Hole Tolerance (-)" at 14985.83,1547.58 h72
  text "2" at 6234.28,1397.58 h60
  text "55.00mil (1.397mm)" at 6884.11,1397.58 h60
  text "PTH" at 8003.78,1397.58 h60
  text "Round" at 8509.66,1397.58 h60
  text "Top - Bottom" at 9243.46,1397.58 h60
  text "Pad" at 10433.11,1397.58 h60
  text "Rounded" at 11022.96,1397.58 h60
  text "r419_210h140r100" at 11768.76,1397.58 h60
  text "E" at 5699.32,1387.59 h66.67
  text "4" at 6234.28,1247.58 h60
  text "118.11mil (3.000mm)" at 6884.11,1247.58 h60
  text "NPTH" at 8003.78,1247.58 h60
  text "Round" at 8509.66,1247.58 h60
  text "Top - Bottom" at 9243.46,1247.58 h60
  text "Pad" at 10433.11,1247.58 h60
  text "Rounded" at 11022.96,1247.58 h60
  text "c0hn300m-1p-1" at 11768.76,1247.58 h60
  text "B" at 5699.32,1237.59 h66.67
  text "6" at 6234.28,1097.58 h60
  text "60.00mil (1.524mm)" at 6884.11,1097.58 h60
  text "PTH" at 8003.78,1097.58 h60
  text "Round" at 8509.66,1097.58 h60
  text "Top - Bottom" at 9243.46,1097.58 h60
  text "Pad" at 10433.11,1097.58 h60
  text "Rounded" at 11022.96,1097.58 h60
  text "r345_330h152r100" at 11768.76,1097.58 h60
  text "12" at 6234.28,947.58 h60
  text "63.00mil (1.600mm)" at 6884.11,947.58 h60
  text "PTH" at 8003.78,947.58 h60
  text "Round" at 8509.66,947.58 h60
  text "Top - Bottom" at 9243.46,947.58 h60
  text "Pad" at 10433.11,947.58 h60
  text "Octagonal" at 11022.96,947.58 h60
  text "r338_211h160c50" at 11768.76,947.58 h60
  text "D" at 5699.32,937.59 h66.67
  text "45" at 6234.28,797.58 h60
  text "40.00mil (1.016mm)" at 6884.11,797.58 h60
  text "PTH" at 8003.78,797.58 h60
  text "Round" at 8509.66,797.58 h60
  text "Top - Bottom" at 9243.46,797.58 h60
  text "Pad" at 10433.11,797.58 h60
  text "(Mixed)" at 11022.96,797.58 h60
  text "(Mixed)" at 11768.76,797.58 h60
  text "46" at 6234.28,647.58 h60
  text "35.43mil (0.900mm)" at 6884.11,647.58 h60
  text "PTH" at 8003.78,647.58 h60
  text "Round" at 8509.66,647.58 h60
  text "Top - Bottom" at 9243.46,647.58 h60
  text "Pad" at 10433.11,647.58 h60
  text "(Mixed)" at 11022.96,647.58 h60
  text "(Mixed)" at 11768.76,647.58 h60
  text "84" at 6234.28,497.58 h60
  text "50.39mil (1.280mm)" at 6884.11,497.58 h60
  text "NPTH" at 8003.78,497.58 h60
  text "Round" at 8509.66,497.58 h60
  text "Top - Bottom" at 9243.46,497.58 h60
  text "Pad" at 10433.11,497.58 h60
  text "Rounded" at 11022.96,497.58 h60
  text "c128hn128" at 11768.76,497.58 h60
  text "274" at 6234.28,347.58 h60
  text "15.00mil (0.381mm)" at 6884.11,347.58 h60
  text "PTH" at 8003.78,347.58 h60
  text "Round" at 8509.66,347.58 h60
  text "Top - Bottom" at 9243.46,347.58 h60
  text "(Mixed)" at 10433.11,347.58 h60
  text "Rounded" at 11022.96,347.58 h60
  text "(Mixed)" at 11768.76,347.58 h60
  text "C" at 5699.32,337.59 h66.67
  text "Symbol" at 5728.41,197.58 h72
  text "Count" at 6234.28,197.58 h72
  text "551" at 6234.28,197.58 h60
  text "Hole Size" at 6668.18,197.58 h72
  text "10.00mil (0.254mm)" at 6884.11,197.58 h60
  text "Plated" at 7389.99,197.58 h72
  text "Hole Type" at 7895.86,197.58 h72
  text "PTH" at 8003.78,197.58 h60
  text "Round" at 8509.66,197.58 h60
  text "Drill Layer Pair" at 8629.66,197.58 h72
  text "Top - Bottom" at 9243.46,197.58 h60
  text "Via/Pad" at 9819.32,197.58 h72
  text "Pad Shape" at 10409.17,197.58 h72
  text "Via" at 10433.11,197.58 h60
  text "Rounded" at 11022.96,197.58 h60
  text "Template" at 11154.97,197.58 h72
  text "(Mixed)" at 11768.76,197.58 h60
  text "Description" at 11804.79,197.58 h72
  text "Hole Tolerance (+)" at 12658.56,197.58 h72
  text "Hole Tolerance (-)" at 13992.17,197.58 h72
  text "F" at 5699.32,187.59 h66.67
  text "1024 Total" at 6234.28,47.58 h60
Scratch:
  circle w42: c4081.42,2715.8 r20
  circle w42: c4081.42,2616.89 r20
  circle w42: c4081.42,2517.97 r20
  circle w42: c4081.42,2419.05 r20
  circle w42: c4081.42,2320.13 r20
  lines w2: 4217.03,2041.25 4367.03,2041.25
  lines w5: 542.32,1397.89 1373.03,1397.89 ; 881.89,0.25 1373.03,0.25 1373.03,2795.28
  lines w10: 1719.46,2598.68 2850.98,2598.68
  text "was TP32" at 3674.03,2178.25 h25
  text "32x" at 1507.87,1679.39 h50
  text "18x" at 1637.8,1395.92 h50
  text "35.5mm" at 542.32,1323.09 h50
  text "14x" at 1346.46,1104.58 h50
Outline:
  the board outline again, w10

## Dimensions
5506.89,0.25 to 0,0 on Top Document
5506.89,2795.53 to 1373.03,2795.53 on Top Document
5506.89,0.25 to 5506.89,2795.53 on Top Document

## Text inside footprints (layer, text, board x,y; h text height)
J1: Top Overlay "1" at 5420.78,339 h60 r90
J2: Top Document "1" at 3676.67,1900.15 h62 r270
J3: Top Document "1" at 3676.67,1589.13 h62 r270
J4: Top Document "1" at 4045.28,1574.5 h62 r90
J5: Top Document "1" at 4044.28,1160.5 h62 r90
J6: Top Document "1" at 3676.67,1278.11 h62 r270
J7: Top Document "1" at 1803.53,2294.75 h62
J13: Top Document "1" at 2028.53,2660.75 h62 r180
J14: Top Document "1" at 2349.53,2660.75 h62 r180
J16: Top Document "1" at 4941.28,2704.5 h62 r270
X13: Top Overlay "2" at 4001.78,725 h77.5; Top Overlay "1" at 4290.78,725 h77.5